# KiCad board OLD_PCB.kicad_pcb (continued)
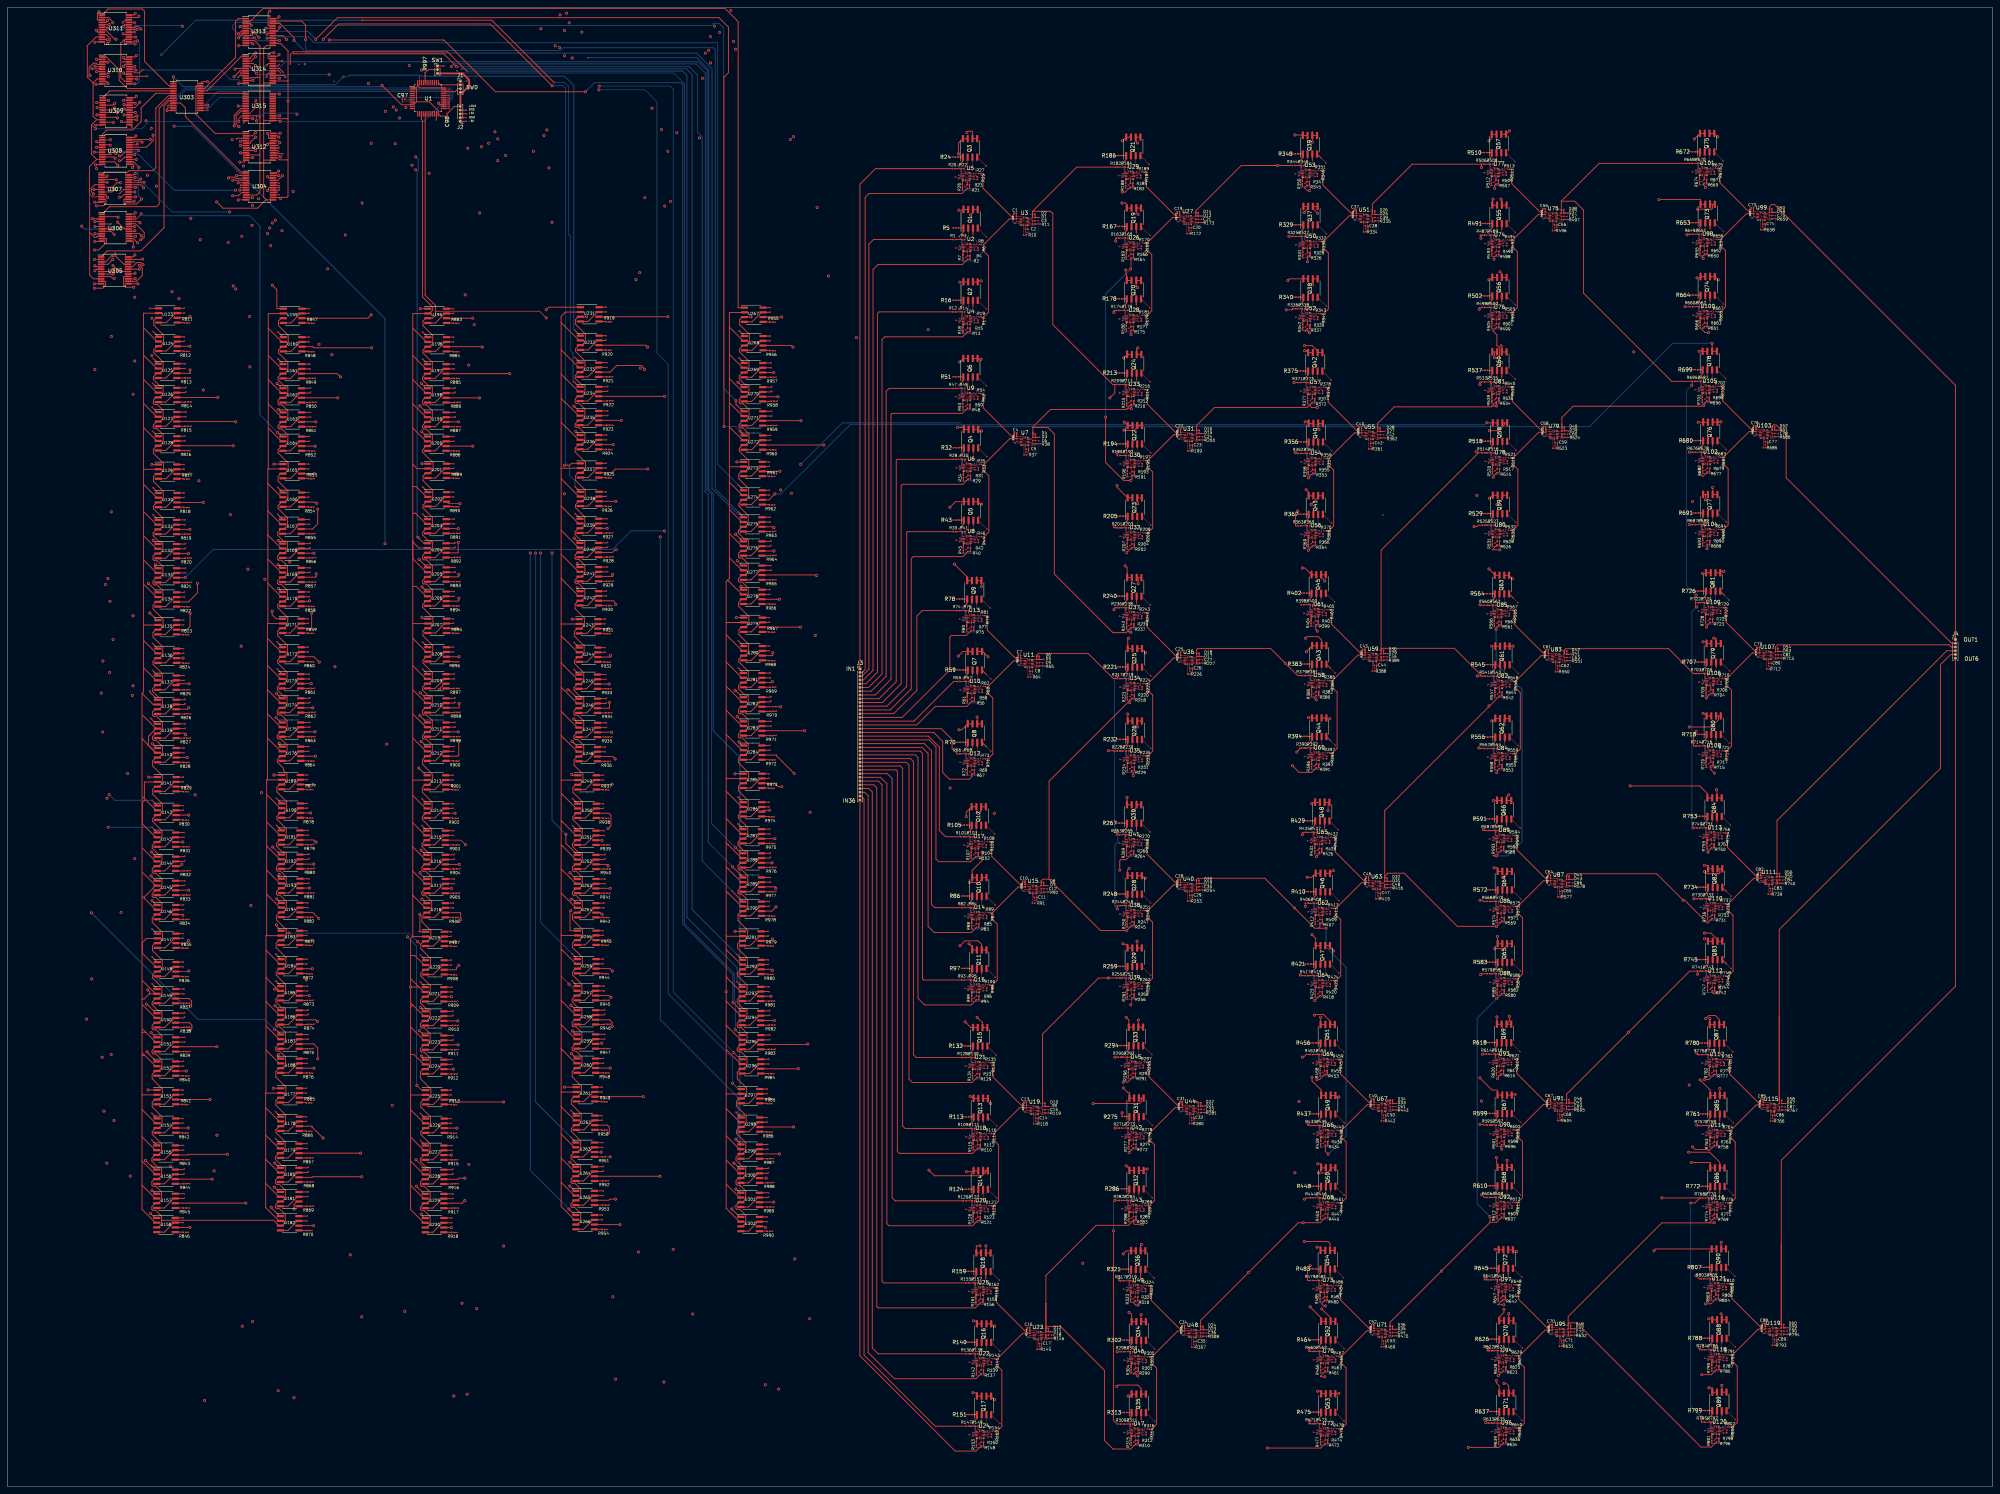
[diagram p0: board, top side]
## Routing (per net, layer and track width the routed paths; a pad name or vN(x,y) marks a point on that pad's centre or on a via; arc(x,y) is an arc through that point) (continued)
Net-(Q4A-S1): length 9.9
  Top w0.1: U6.4 255.27,271.8 254.62,271.8 254.44,271.62 v1(254.2,271.62)
  Top w0.25: 255.34,276.88 255.34,276.88 Q4.1 ; 255.34,276.88 255.34,276.37 v1(254.1,275.13) ; 255.34,276.88 Q4.1 ; 254.02,277.43 255.31,277.43 Q4.1
  Bottom w0.25: v1(254.2,271.62) 254.8,272.22 254.8,274.42 v1(254.1,275.13)
Net-(Q4B-G2): length 15.5
  Top w0.1: v1(255.9,269.53) 255.99,269.53 R31.2 256.47,271.2 256.46,271.22 ; v1(261.5,275.03) 261.5,275.04 Q4.4
  In1.Cu w0.1: v1(261.5,275.03) 261.5,271.03 260,269.53 v1(255.9,269.53)
Net-(Q4B-S2): length 8.8
  Top w0.1: U6.11 257.23,272.59 258.49,272.59 ; 259.23,272.11 258.75,272.59 258.49,272.59 ; 258.49,272.59 258.82,272.93 258.82,273.97 257.88,274.91 Q4.3
  Top w0.25: 257.88,276.15 Q4.3
Net-(Q5A-G1): length 6.3
  Top w0.1: U8.14 255.66,254.19 R41.2 256.61,255.95 256.61,258.06
  Top w0.25: Q5.2 256.61,257.01 256.61,257.01 ; 255.66,254.59 R41.2
Net-(Q5A-S1): length 9.9
  Top w0.1: v1(254.19,252.29) 254.43,252.29 254.62,252.48 255.27,252.48 255.3,252.44
  Top w0.25: 254.01,258.1 255.3,258.1 Q5.1 ; 255.34,257.56 Q5.1 ; 255.34,257.56 Q5.1 ; 255.34,257.56 255.34,257.05 v1(254.09,255.8)
  Bottom w0.25: v1(254.19,252.29) 254.8,252.9 254.8,255.1 v1(254.09,255.8)
Net-(Q5B-G2): length 15.5
  Top w0.1: U8.7 256.47,251.88 R42.2 255.99,250.2 v1(255.89,250.2) ; v1(261.49,255.7) 261.49,255.72 Q5.4
  In1.Cu w0.1: v1(261.49,255.7) 261.49,251.7 259.99,250.2 v1(255.89,250.2)
Net-(Q5B-S2): length 8.8
  Top w0.1: 258.48,253.27 257.23,253.27 257.2,253.24 ; 258.48,253.27 258.82,253.61 258.82,254.65 257.88,255.59 Q5.3 ; 258.48,253.27 258.74,253.27 R44.2
  Top w0.25: 257.88,256.83 257.88,256.83 Q5.3
Net-(Q6A-G1): length 4.8
  Top w0.1: 256.46,296.33 256.46,294.21 255.52,293.26 R49.2 255.52,292.45 255.91,292.05
Net-(Q6A-S1): length 9.4
  Top w0.1: U9.4 255.13,290.74 254.47,290.74 254.29,290.55 v1(254.05,290.55)
  Top w0.25: v1(253.95,294.06) 255.2,295.31 255.2,296.33 255.16,296.36 R51.2
  Bottom w0.25: v1(253.95,294.06) 254.65,293.36 254.65,291.16 v1(254.05,290.55)
Net-(Q6B-G2): length 15.5
  Top w0.1: 259,296.33 261.35,293.98 v1(261.35,293.96) ; 256.31,290.15 256.32,290.14 256.32,288.95 R50.2 255.84,288.46 v1(255.75,288.46)
  In1.Cu w0.1: v1(255.75,288.46) 259.85,288.46 261.35,289.96 v1(261.35,293.96)
Net-(Q6B-S2): length 7.6
  Top w0.1: 258.34,291.53 258.67,291.87 258.67,292.91 257.73,293.85 257.73,296.33 ; 258.34,291.53 257.08,291.53 U9.11 ; 258.34,291.53 258.6,291.53 259.08,291.04
  Top w0.25: 259.08,291.04 R52.2
Net-(Q7A-G1): length 6.6
  Top w0.1: Q7.2 257.66,215.94 R57.2 256.71,214.18 U10.14
  Top w0.25: 257.66,217 Q7.2 ; 257.18,215.47 257.18,215.47 R57.2
Net-(Q7A-S1): length 9.9
  Top w0.1: v1(255.24,212.28) 255.48,212.28 255.67,212.47 256.32,212.47 U10.4
  Top w0.25: R59.2 255.06,218.09 256.35,218.09 Q7.1 ; Q7.1 256.39,217.55 256.39,217.55 ; Q7.1 256.39,217.55 ; 256.39,217.55 256.39,217.04 v1(255.14,215.79)
  Bottom w0.25: v1(255.14,215.79) 255.85,215.09 255.85,212.88 v1(255.24,212.28)
Net-(Q7B-G2): length 17.2
  Top w0.1: Q7.4 262.54,215.71 v1(262.54,215.69) ; 257.5,211.88 257.52,211.87 R58.2 257.03,210.19 v1(256.94,210.19)
  Top w0.25: 261.37,216.88 Q7.4
  In1.Cu w0.1: v1(256.94,210.19) 261.04,210.19 262.54,211.69 v1(262.54,215.69)
Net-(Q7B-S2): length 8.8
  Top w0.1: Q7.3 258.93,215.58 259.87,214.64 259.87,213.59 259.53,213.26 ; 259.53,213.26 259.79,213.26 R60.2 ; 259.53,213.26 258.28,213.26 U10.11
  Top w0.25: 258.93,216.81 Q7.3
Net-(Q8A-G1): length 6.6
  Top w0.1: 257.65,198.73 257.65,196.62 256.7,195.67 256.7,194.85 U12.14
  Top w0.25: 257.65,197.67 257.65,197.67 Q8.2 ; 257.18,196.14 R68.2
Net-(Q8A-S1): length 9.9
  Top w0.1: v1(255.24,192.96) 255.48,192.96 255.66,193.14 256.31,193.14 U12.4
  Top w0.25: Q8.1 256.38,198.22 ; Q8.1 256.34,198.77 R70.2 ; Q8.1 256.38,198.22 ; 256.38,198.22 256.38,197.71 v1(255.14,196.47)
  Bottom w0.25: v1(255.24,192.96) 255.84,193.56 255.84,195.76 v1(255.14,196.47)
Net-(Q8B-G2): length 17.2
  Top w0.1: v1(262.54,196.37) 262.54,196.38 260.19,198.73 ; U12.7 257.51,192.54 R69.2 257.03,190.87 v1(256.94,190.87)
  Top w0.25: 261.37,197.56 Q8.4
  In1.Cu w0.1: v1(262.54,196.37) 262.54,192.37 261.04,190.87 v1(256.94,190.87)
Net-(Q8B-S2): length 8.8
  Top w0.1: 259.53,193.93 259.86,194.27 259.86,195.31 258.92,196.25 Q8.3 ; 259.53,193.93 259.78,193.93 260.27,193.45 ; 259.53,193.93 258.27,193.93 U12.11
  Top w0.25: Q8.3 258.92,197.49 258.92,197.49
Net-(Q9A-G1): length 6.3
  Top w0.1: 256.95,232.72 256.56,233.11 256.56,233.93 257.51,234.88 Q9.2
  Top w0.25: R76.2 256.56,233.52 256.56,233.52 ; Q9.2 257.51,235.93 257.51,235.93
Net-(Q9A-S1): length 9.9
  Top w0.1: v1(255.09,231.22) 255.33,231.22 255.52,231.4 256.17,231.4 U13.4
  Top w0.25: v1(254.99,234.73) 256.24,235.97 256.24,236.48 ; Q9.1 256.24,236.48 256.24,236.48 ; 256.24,236.48 256.24,236.99 256.2,237.03 R78.2 254.91,237.03
  Bottom w0.25: v1(255.09,231.22) 255.7,231.82 255.7,234.02 v1(254.99,234.73)
Net-(Q9B-G2): length 15.6
  Top w0.1: 257.35,230.82 257.37,230.8 257.37,229.61 R77.2 256.89,229.13 v1(256.79,229.13) ; v1(262.39,234.63) 262.39,234.64 260.07,236.97 Q9.4
  Top w0.25: Q9.4 260.07,236.97
  In1.Cu w0.1: v1(262.39,234.63) 262.39,230.63 260.89,229.13 v1(256.79,229.13)
Net-(Q9B-S2): length 9.1
  Top w0.1: 258.78,236.99 258.78,234.51 259.72,233.57 259.72,232.53 259.38,232.19 ; U13.11 258.13,232.19 259.38,232.19 ; 259.38,232.19 259.64,232.19 260.12,231.71
  Top w0.25: 259.93,231.9 R79.2 ; 258.78,235.75 258.78,235.75 Q9.3
Net-(Q10A-G1): length 5.2
  Top w0.1: 258.85,157.66 258.85,155.55 R84.2 257.9,153.79 U14.14
  Top w0.25: 257.9,154.19 R84.2 ; Q10.2 258.85,157.66
Net-(Q10A-S1): length 9.9
  Top w0.1: 257.54,152.04 257.51,152.08 256.86,152.08 256.67,151.89 v1(256.43,151.89)
  Top w0.25: 256.25,157.7 257.54,157.7 Q10.1 ; Q10.1 257.58,157.16 ; Q10.1 257.58,157.16 ; 257.58,157.16 257.58,156.65 v1(256.33,155.4)
  Bottom w0.25: v1(256.43,151.89) 257.04,152.5 257.04,154.7 v1(256.33,155.4)
Net-(Q10B-G2): length 15.5
  Top w0.1: U14.7 258.71,151.48 R85.2 258.23,149.8 v1(258.13,149.8) ; Q10.4 263.73,155.32 v1(263.73,155.3)
  In1.Cu w0.1: v1(263.73,155.3) 263.73,151.3 262.23,149.8 v1(258.13,149.8)
Net-(Q10B-S2): length 8.8
  Top w0.1: 260.72,152.87 259.47,152.87 259.44,152.84 ; 260.72,152.87 260.98,152.87 R87.2 ; 260.72,152.87 261.06,153.21 261.06,154.25 260.12,155.19 Q10.3
  Top w0.25: Q10.3 260.12,156.43 260.12,156.43
Net-(Q11A-G1): length 6.3
  Top w0.1: U16.14 257.89,134.46 R95.2 258.84,136.23 258.84,138.34
  Top w0.25: 257.89,134.87 R95.2 ; 258.84,137.28 Q11.2
Net-(Q11A-S1): length 9.9
  Top w0.1: v1(256.43,132.57) 256.67,132.57 256.85,132.75 257.5,132.75 257.54,132.72
  Top w0.25: 257.57,137.83 Q11.1 ; 257.57,137.83 257.57,138.34 257.54,138.38 R97.2 ; 257.57,137.83 257.57,137.32 v1(256.33,136.08)
  Bottom w0.25: v1(256.43,132.57) 257.03,133.17 257.03,135.37 v1(256.33,136.08)
Net-(Q11B-G2): length 15.5
  Top w0.1: Q11.4 263.73,135.99 v1(263.73,135.98) ; U16.7 258.7,132.15 258.7,130.96 258.22,130.48 v1(258.13,130.48)
  In1.Cu w0.1: v1(258.13,130.48) 262.23,130.48 263.73,131.98 v1(263.73,135.98)
Net-(Q11B-S2): length 8.8
  Top w0.1: R98.2 260.97,133.54 260.72,133.54 ; 260.11,138.34 260.11,135.86 261.05,134.92 261.05,133.88 260.72,133.54 ; 260.72,133.54 259.46,133.54 259.44,133.52
  Top w0.25: 260.11,137.1 Q11.3
Net-(Q12A-G1): length 4.8
  Top w0.1: Q12.2 258.7,174.49 R103.2 257.75,172.72 U17.14
Net-(Q12A-S1): length 9.4
  Top w0.1: 257.39,170.98 257.36,171.01 256.71,171.01 256.52,170.83 v1(256.28,170.83)
  Top w0.25: v1(256.18,174.34) 257.43,175.58 Q12.1 257.39,176.64 256.1,176.64 R105.2
  Bottom w0.25: v1(256.28,170.83) 256.89,171.43 256.89,173.64 v1(256.18,174.34)
Net-(Q12B-G2): length 15.5
  Top w0.1: v1(263.58,174.24) 263.58,174.26 Q12.4 ; v1(257.98,168.74) 258.08,168.74 R104.2 258.56,170.42 U17.7
  In1.Cu w0.1: v1(263.58,174.24) 263.58,170.24 262.08,168.74 v1(257.98,168.74)
Net-(Q12B-S2): length 7.6
  Top w0.1: Q12.3 259.97,174.12 260.91,173.18 260.91,172.14 260.57,171.8 ; 260.57,171.8 259.32,171.8 259.29,171.78 ; 260.57,171.8 260.83,171.8 R106.2
Net-(Q13A-G1): length 6.3
  Top w0.1: 258.66,94.42 258.26,94.81 258.26,95.63 259.21,96.58 Q13.2
  Top w0.25: 258.26,95.22 R111.2 ; Q13.2 259.21,97.63 259.21,97.63
Net-(Q13A-S1): length 9.9
  Top w0.1: v1(256.8,92.92) 257.04,92.92 257.22,93.1 257.87,93.1 U18.4
  Top w0.25: Q13.1 257.94,98.18 ; Q13.1 257.91,98.73 256.62,98.73 ; Q13.1 257.94,98.18 257.94,98.18 ; 257.94,98.18 257.94,97.67 v1(256.7,96.43)
  Bottom w0.25: v1(256.7,96.43) 257.4,95.72 257.4,93.52 v1(256.8,92.92)
Net-(Q13B-G2): length 15.5
  Top w0.1: v1(264.1,96.33) 264.1,96.34 Q13.4 ; v1(258.5,90.83) 258.59,90.83 R112.2 259.07,92.5 259.06,92.52
  In1.Cu w0.1: v1(264.1,96.33) 264.1,92.33 262.6,90.83 v1(258.5,90.83)
Net-(Q13B-S2): length 8.8
  Top w0.1: 261.83,93.41 261.34,93.89 261.09,93.89 ; U18.11 259.83,93.89 261.09,93.89 ; 261.09,93.89 261.42,94.23 261.42,95.27 260.48,96.21 Q13.3
  Top w0.25: 260.48,97.45 Q13.3
Net-(Q14A-G1): length 6.3
  Top w0.1: 259.21,79.36 259.21,77.25 R122.2 258.26,75.49 U20.14
  Top w0.25: 258.26,75.89 R122.2 ; Q14.2 259.21,78.31 259.21,78.31
Net-(Q14A-S1): length 9.9
  Top w0.1: 257.9,73.74 257.87,73.78 257.22,73.78 257.03,73.59 v1(256.79,73.59)
  Top w0.25: Q14.1 257.94,78.86 ; Q14.1 257.9,79.4 256.61,79.4 ; Q14.1 257.94,78.86 ; 257.94,78.86 257.94,78.35 v1(256.69,77.1)
  Bottom w0.25: v1(256.79,73.59) 257.4,74.2 257.4,76.4 v1(256.69,77.1)
Net-(Q14B-G2): length 15.5
  Top w0.1: Q14.4 264.09,77.02 v1(264.09,77) ; v1(258.49,71.5) 258.59,71.5 R123.2 259.07,73.18 U20.7
  In1.Cu w0.1: v1(264.09,77) 264.09,73 262.59,71.5 v1(258.49,71.5)
Net-(Q14B-S2): length 8.8
  Top w0.1: 261.08,74.57 261.34,74.57 R125.2 ; 261.08,74.57 261.42,74.91 261.42,75.95 260.48,76.89 Q14.3 ; 261.08,74.57 259.83,74.57 259.8,74.54
  Top w0.25: 260.48,78.12 260.48,78.13 Q14.3
Net-(Q15A-G1): length 4.8
  Top w0.1: Q15.2 259.06,115.51 258.11,114.56 R130.2 258.11,113.75 258.51,113.35
Net-(Q15A-S1): length 9.4
  Top w0.1: v1(256.65,111.85) 256.89,111.85 257.07,112.04 257.72,112.04 U21.4
  Top w0.25: R132.2 257.76,117.66 Q15.1 257.79,116.61 v1(256.55,115.36)
  Bottom w0.25: v1(256.55,115.36) 257.25,114.66 257.25,112.46 v1(256.65,111.85)
Net-(Q15B-G2): length 15.5
  Top w0.1: 258.91,111.45 258.92,111.44 258.92,110.25 R131.2 258.44,109.76 v1(258.35,109.76) ; Q15.4 263.95,115.28 v1(263.95,115.26)
  In1.Cu w0.1: v1(263.95,115.26) 263.95,111.26 262.45,109.76 v1(258.35,109.76)
Net-(Q15B-S2): length 7.6
  Top w0.1: 260.94,112.83 261.27,113.17 261.27,114.21 260.33,115.15 Q15.3 ; 260.94,112.83 259.68,112.83 U21.11 ; 260.94,112.83 261.2,112.83 261.68,112.34
  Top w0.25: 261.68,112.34 R133.2
Net-(Q16A-G1): length 4.8
  Top w0.1: U22.14 259.15,34.62 R138.2 260.1,36.39 Q16.2
Net-(Q16A-S1): length 9.4
  Top w0.1: 258.79,32.88 258.76,32.91 258.11,32.91 257.92,32.73 v1(257.68,32.73)
  Top w0.25: R140.2 257.5,38.54 258.79,38.54 Q16.1 258.83,37.48 v1(257.58,36.24)
  Bottom w0.25: v1(257.68,32.73) 258.29,33.33 258.29,35.54 v1(257.58,36.24)
Net-(Q16B-G2): length 15.5
  Top w0.1: v1(264.98,36.14) 264.98,36.16 Q16.4 ; U22.7 259.96,32.31 R139.2 259.48,30.64 v1(259.38,30.64)
  In1.Cu w0.1: v1(259.38,30.64) 263.48,30.64 264.98,32.14 v1(264.98,36.14)
Net-(Q16B-S2): length 7.6
  Top w0.1: Q16.3 261.37,36.02 262.31,35.08 262.31,34.04 261.97,33.7 ; R141.2 262.23,33.7 261.97,33.7 ; 260.69,33.68 260.72,33.7 261.97,33.7
Net-(Q17A-G1): length 4.8
  Top w0.1: U24.14 259.14,15.3 R149.2 260.09,17.06 Q17.2
Net-(Q17A-S1): length 9.4
  Top w0.1: v1(257.68,13.4) 257.92,13.4 258.1,13.59 258.75,13.59 258.79,13.55
  Top w0.25: R151.2 258.79,19.21 Q17.1 258.82,18.16 v1(257.58,16.91)
  Bottom w0.25: v1(257.58,16.91) 258.28,16.21 258.28,14.01 v1(257.68,13.4)
Net-(Q17B-G2): length 15.5
  Top w0.1: 262.63,19.18 264.98,16.83 v1(264.98,16.81) ; U24.7 259.95,12.99 259.95,11.8 R150.2 259.47,11.31 v1(259.38,11.31)
  In1.Cu w0.1: v1(264.98,16.81) 264.98,12.81 263.48,11.31 v1(259.38,11.31)
Net-(Q17B-S2): length 7.6
  Top w0.1: 261.97,14.38 262.3,14.72 262.3,15.76 261.36,16.7 Q17.3 ; 261.97,14.38 260.71,14.38 260.69,14.35 ; 261.97,14.38 262.23,14.38 R152.2
Net-(Q18A-G1): length 4.9
  Top w0.1: 259.95,57.44 259.95,55.32 R157.2 259,53.56 U25.14
  Top w0.25: Q18.2 259.95,57.44 ; 259.04,54.41 259.04,54.41 R157.2
Net-(Q18A-S1): length 9.4
  Top w0.1: U25.4 258.61,51.85 257.96,51.85 257.77,51.66 v1(257.53,51.66)
  Top w0.25: R159.2 258.64,57.48 Q18.1 258.68,56.42 v1(257.44,55.18)
  Bottom w0.25: v1(257.53,51.66) 258.14,52.27 258.14,54.47 v1(257.44,55.18)
Net-(Q18B-G2): length 15.9
  Top w0.1: v1(259.23,49.58) 259.33,49.58 R158.2 259.81,51.25 U25.7 ; v1(264.83,55.08) 264.83,55.09 262.49,57.44
  Top w0.25: Q18.4 262.49,57.44 ; 259.57,49.82 R158.2
  In1.Cu w0.1: v1(259.23,49.58) 263.33,49.58 264.83,51.08 v1(264.83,55.08)
Net-(Q18B-S2): length 9.3
  Top w0.1: U25.11 260.57,52.64 261.82,52.64 ; 262.57,52.15 R160.2 262.08,52.64 261.82,52.64 ; 261.82,52.64 262.16,52.98 262.16,54.02 261.22,54.96 Q18.3
  Top w0.25: Q18.3 261.22,55.66 261.22,55.66
Net-(Q19A-G1): length 4.8
  Top w0.1: 299.56,332.22 299.16,332.61 R165.2 300.11,334.38 Q19.2
Net-(Q19A-S1): length 9.4
  Top w0.1: U26.4 298.77,330.9 298.12,330.9 297.94,330.72 v1(297.7,330.72)
  Top w0.25: v1(297.6,334.23) 298.84,335.47 Q19.1 298.81,336.53 R167.2
  Bottom w0.25: v1(297.7,330.72) 298.3,331.32 298.3,333.52 v1(297.6,334.23)
Net-(Q19B-G2): length 15.7
  Top w0.1: Q19.4 302.68,336.47 305,334.14 v1(305,334.13) ; 299.96,330.32 299.97,330.3 R166.2 299.49,328.63 v1(299.4,328.63)
  Top w0.25: 299.87,329 R166.2 ; Q19.4 302.68,336.47
  In1.Cu w0.1: v1(299.4,328.63) 303.5,328.63 305,330.13 v1(305,334.13)
Net-(Q19B-S2): length 9.1
  Top w0.1: Q19.3 301.38,334.01 302.32,333.07 302.32,332.03 301.99,331.69 ; 301.99,331.69 302.25,331.69 302.73,331.21 ; 301.99,331.69 300.73,331.69 U26.11
  Top w0.25: Q19.3 301.38,334.96
Net-(Q20A-G1): length 4.8
  Top w0.1: U28.14 299.16,313.29 R176.2 300.11,315.05 300.11,317.16
  Top w0.25: Q20.2 300.11,317.16
Net-(Q20A-S1): length 9.4
  Top w0.1: v1(297.69,311.39) 297.93,311.39 298.12,311.58 298.77,311.58 U28.4
  Top w0.25: R178.2 298.8,317.2 Q20.1 298.84,316.15 v1(297.59,314.9)
  Bottom w0.25: v1(297.59,314.9) 298.3,314.2 298.3,312 v1(297.69,311.39)
Net-(Q20B-G2): length 15.7
  Top w0.1: 302.65,317.16 302.67,317.14 304.99,314.82 v1(304.99,314.8) ; v1(299.39,309.3) 299.49,309.3 R177.2 299.97,310.98 U28.7
  Top w0.25: 299.86,309.68 R177.2 ; Q20.4 302.67,317.14
  In1.Cu w0.1: v1(299.39,309.3) 303.49,309.3 304.99,310.8 v1(304.99,314.8)
Net-(Q20B-S2): length 10.3
  Top w0.1: 300.73,312.37 302.24,312.37 R179.2 ; 300.73,312.37 U28.11 ; 300.73,312.37 301.98,312.37 302.32,312.7 302.32,313.75 301.38,314.69 Q20.3
  Top w0.25: Q20.3 301.38,315.63 301.38,315.63
Net-(Q21A-G1): length 4.8
  Top w0.1: 299.41,351.15 299.01,351.55 R184.2 299.96,353.31 Q21.2
Net-(Q21A-S1): length 9.4
  Top w0.1: v1(297.55,349.65) 297.79,349.65 297.97,349.84 298.62,349.84 U29.4
  Top w0.25: R186.2 298.66,355.46 Q21.1 298.69,354.41 v1(297.45,353.16)
  Bottom w0.25: v1(297.55,349.65) 298.15,350.26 298.15,352.46 v1(297.45,353.16)
Net-(Q21B-G2): length 16.1
  Top w0.1: v1(299.25,347.56) 299.34,347.56 299.82,348.04 299.82,349.24 299.81,349.25 ; Q21.4 304.85,353.08 v1(304.85,353.06)
  Top w0.25: 299.82,348.64 299.82,348.64 R185.2
  In1.Cu w0.1: v1(299.25,347.56) 303.35,347.56 304.85,349.06 v1(304.85,353.06)
Net-(Q21B-S2): length 7.9
  Top w0.1: U29.11 300.58,350.63 301.84,350.63 ; Q21.3 301.23,352.95 302.17,352.01 302.17,350.97 301.84,350.63 ; 301.84,350.63 302.1,350.63 302.58,350.14
  Top w0.25: 302.34,350.39 R187.2
Net-(Q22A-G1): length 4.8
  Top w0.1: 299.81,274.15 299.41,274.55 R192.2 299.41,275.36 300.36,276.31 300.36,278.43
Net-(Q22A-S1): length 9.4
  Top w0.1: U30.4 299.02,272.84 298.38,272.84 298.19,272.65 v1(297.95,272.65)
  Top w0.25: v1(297.85,276.16) 299.09,277.41 Q22.1 299.06,278.46 R194.2
  Bottom w0.25: v1(297.95,272.65) 298.55,273.26 298.55,275.46 v1(297.85,276.16)
Net-(Q22B-G2): length 15.5
  Top w0.1: Q22.4 305.25,276.08 v1(305.25,276.06) ; v1(299.65,270.56) 299.74,270.56 R193.2 300.22,271.05 300.22,272.24 300.21,272.25
  In1.Cu w0.1: v1(305.25,276.06) 305.25,272.06 303.75,270.56 v1(299.65,270.56)
Net-(Q22B-S2): length 7.6
  Top w0.1: 302.24,273.63 302.57,273.97 302.57,275.01 301.63,275.95 Q22.3 ; 302.24,273.63 300.98,273.63 U30.11 ; 302.24,273.63 302.5,273.63 302.98,273.14
  Top w0.25: 302.98,273.14 R195.2
Net-(Q23A-G1): length 4.8
  Top w0.1: U32.14 299.41,255.22 R203.2 300.36,256.99 Q23.2
Net-(Q23A-S1): length 9.4
  Top w0.1: v1(297.94,253.33) 298.19,253.33 298.37,253.51 299.02,253.51 299.05,253.48
  Top w0.25: v1(297.84,256.84) 299.09,258.08 Q23.1 299.05,259.14 297.76,259.14 R205.2
  Bottom w0.25: v1(297.84,256.84) 298.55,256.13 298.55,253.93 v1(297.94,253.33)
Net-(Q23B-G2): length 15.5
  Top w0.1: v1(305.24,256.74) 305.24,256.76 Q23.4 ; U32.7 300.22,252.92 R204.2 299.74,251.24 v1(299.64,251.24)
  In1.Cu w0.1: v1(299.64,251.24) 303.74,251.24 305.24,252.74 v1(305.24,256.74)
Net-(Q23B-S2): length 7.6
  Top w0.1: 302.23,254.3 302.57,254.64 302.57,255.68 301.63,256.62 Q23.3 ; 302.23,254.3 300.98,254.3 300.95,254.28 ; 302.23,254.3 302.49,254.3 R206.2
Net-(Q24A-G1): length 4.9
  Top w0.1: U33.14 299.27,293.48 R211.2 300.22,295.25 300.22,297.36
  Top w0.25: Q24.2 300.22,297.36 ; 299.31,294.34 R211.2
Net-(Q24A-S1): length 9.4
  Top w0.1: v1(297.8,291.59) 298.04,291.59 298.23,291.77 298.88,291.77 U33.4
  Top w0.25: R213.2 298.91,297.4 Q24.1 298.95,297.36 298.95,296.35 v1(297.7,295.1)
  Bottom w0.25: v1(297.8,291.59) 298.4,292.19 298.4,294.4 v1(297.7,295.1)
Net-(Q24B-G2): length 15.9
  Top w0.1: v1(305.1,295) 305.1,295.02 302.76,297.36 ; v1(299.5,289.5) 299.59,289.5 300.07,289.98 300.07,291.18 U33.7
  Top w0.25: Q24.4 302.76,297.36 ; 299.83,289.74 R212.2
  In1.Cu w0.1: v1(305.1,295) 305.1,291 303.6,289.5 v1(299.5,289.5)
Net-(Q24B-S2): length 9.3
  Top w0.1: 302.09,292.57 302.42,292.9 302.42,293.94 301.49,294.88 301.49,297.36 ; 302.09,292.57 302.35,292.57 R214.2 ; 302.09,292.57 300.83,292.57 U33.11
  Top w0.25: Q24.3 301.49,295.58
Net-(Q25A-G1): length 4.8
  Top w0.1: 299.81,214.55 299.41,214.95 R219.2 299.41,215.76 300.36,216.71 300.36,218.83
Net-(Q25A-S1): length 9.4
  Top w0.1: U34.4 299.02,213.24 298.38,213.24 298.19,213.05 v1(297.95,213.05)
  Top w0.25: R221.2 299.06,218.86 Q25.1 299.09,217.81 v1(297.85,216.56)
  Bottom w0.25: v1(297.85,216.56) 298.55,215.86 298.55,213.66 v1(297.95,213.05)
Net-(Q25B-G2): length 15.5
  Top w0.1: v1(305.25,216.46) 305.25,216.48 Q25.4 ; 300.21,212.65 300.22,212.64 300.22,211.45 R220.2 299.74,210.96 v1(299.65,210.96)
  In1.Cu w0.1: v1(305.25,216.46) 305.25,212.46 303.75,210.96 v1(299.65,210.96)
Net-(Q25B-S2): length 7.6
  Top w0.1: 302.24,214.03 302.57,214.37 302.57,215.41 301.63,216.35 Q25.3 ; 302.24,214.03 300.98,214.03 U34.11 ; 302.24,214.03 302.5,214.03 302.98,213.54
  Top w0.25: 302.98,213.54 R222.2
Net-(Q26A-G1): length 4.8
  Top w0.1: U35.14 299.41,195.62 R230.2 300.36,197.39 Q26.2
Net-(Q26A-S1): length 9.4
  Top w0.1: v1(297.94,193.73) 298.19,193.73 298.37,193.91 299.02,193.91 299.05,193.88
  Top w0.25: v1(297.84,197.24) 299.09,198.48 Q26.1 299.05,199.54 297.76,199.54 R232.2
  Bottom w0.25: v1(297.94,193.73) 298.55,194.33 298.55,196.54 v1(297.84,197.24)
Net-(Q26B-G2): length 15.5
  Top w0.1: v1(305.24,197.14) 305.24,197.16 Q26.4 ; v1(299.64,191.64) 299.74,191.64 R231.2 300.22,193.32 U35.7
  In1.Cu w0.1: v1(299.64,191.64) 303.74,191.64 305.24,193.14 v1(305.24,197.14)
Net-(Q26B-S2): length 7.6
  Top w0.1: 302.23,194.7 302.57,195.04 302.57,196.08 301.63,197.02 Q26.3 ; 302.23,194.7 302.49,194.7 R233.2 ; 302.23,194.7 300.98,194.7 300.95,194.68
Net-(Q27A-G1): length 4.9
  Top w0.1: 300.22,237.76 300.22,235.65 R238.2 299.27,233.88 U37.14
  Top w0.25: 299.31,234.74 R238.2 ; Q27.2 300.22,237.76
Net-(Q27A-S1): length 9.4
  Top w0.1: v1(297.8,231.99) 298.04,231.99 298.23,232.17 298.88,232.17 U37.4
  Top w0.25: v1(297.7,235.5) 298.95,236.75 298.95,237.76 Q27.1 298.91,237.8 R240.2
  Bottom w0.25: v1(297.7,235.5) 298.4,234.8 298.4,232.59 v1(297.8,231.99)
Net-(Q27B-G2): length 15.9
  Top w0.1: v1(305.1,235.4) 305.1,235.42 302.76,237.76 ; U37.7 300.07,231.58 300.07,230.38 299.59,229.9 v1(299.5,229.9)
  Top w0.25: Q27.4 302.76,237.76 ; 299.83,230.14 R239.2
  In1.Cu w0.1: v1(299.5,229.9) 303.6,229.9 305.1,231.4 v1(305.1,235.4)
Net-(Q27B-S2): length 9.3
  Top w0.1: 302.09,232.97 302.35,232.97 R241.2 ; 302.09,232.97 300.83,232.97 U37.11 ; 302.09,232.97 302.42,233.3 302.42,234.34 301.49,235.28 301.49,237.76
  Top w0.25: Q27.3 301.49,235.98
Net-(Q28A-G1): length 4.8
  Top w0.1: U38.14 299.38,154.32 R246.2 300.33,156.09 Q28.2
Net-(Q28A-S1): length 9.4
  Top w0.1: v1(297.91,152.43) 298.15,152.43 298.34,152.61 298.99,152.61 299.02,152.58
  Top w0.25: v1(297.81,155.94) 299.06,157.18 Q28.1 299.02,158.24 297.73,158.24 R248.2
  Bottom w0.25: v1(297.91,152.43) 298.52,153.03 298.52,155.24 v1(297.81,155.94)
Net-(Q28B-G2): length 15.5
  Top w0.1: Q28.4 305.21,155.86 v1(305.21,155.84) ; U38.7 300.19,152.02 R247.2 299.71,150.34 v1(299.61,150.34)
  In1.Cu w0.1: v1(305.21,155.84) 305.21,151.84 303.71,150.34 v1(299.61,150.34)
Net-(Q28B-S2): length 7.6
  Top w0.1: 300.92,153.38 300.95,153.4 302.2,153.4 ; 302.2,153.4 302.54,153.74 302.54,154.78 301.6,155.72 Q28.3 ; 302.2,153.4 302.46,153.4 R249.2
Net-(Q29A-G1): length 4.8
  Top w0.1: Q29.2 300.32,136.76 299.38,135.81 299.38,135 299.77,134.6
Net-(Q29A-S1): length 9.4
  Top w0.1: U39.4 298.98,133.29 298.33,133.29 298.15,133.1 v1(297.91,133.1)
  Top w0.25: v1(297.81,136.61) 299.05,137.86 Q29.1 299.02,138.91 R259.2
  Bottom w0.25: v1(297.91,133.1) 298.51,133.71 298.51,135.91 v1(297.81,136.61)
Net-(Q29B-G2): length 15.5
  Top w0.1: v1(299.61,131.01) 299.7,131.01 R258.2 300.18,131.5 300.18,132.69 300.17,132.7 ; v1(305.21,136.51) 305.21,136.53 Q29.4
  In1.Cu w0.1: v1(305.21,136.51) 305.21,132.51 303.71,131.01 v1(299.61,131.01)
Net-(Q29B-S2): length 7.6
  Top w0.1: U39.11 300.94,134.08 302.2,134.08 ; 302.2,134.08 302.46,134.08 302.94,133.59 ; 302.2,134.08 302.53,134.42 302.53,135.46 301.59,136.4 Q29.3
  Top w0.25: 302.94,133.59 R260.2
Net-(Q30A-G1): length 4.9
  Top w0.1: Q30.2 300.18,175.02 299.23,174.07 299.23,173.26 U41.14
  Top w0.25: 299.27,174.11 299.27,174.11 R265.2
Net-(Q30A-S1): length 9.4
  Top w0.1: v1(297.76,171.36) 298,171.36 298.19,171.55 298.84,171.55 U41.4
  Top w0.25: v1(297.66,174.88) 298.91,176.12 298.91,177.14 Q30.1 298.87,177.18 R267.2
  Bottom w0.25: v1(297.66,174.88) 298.37,174.17 298.37,171.97 v1(297.76,171.36)
Net-(Q30B-G2): length 15.9
  Top w0.1: v1(299.46,169.28) 299.56,169.28 R266.2 300.04,170.95 U41.7 ; Q30.4 305.06,174.79 v1(305.06,174.78)
  Top w0.25: 299.8,169.52 R266.2
  In1.Cu w0.1: v1(305.06,174.78) 305.06,170.78 303.56,169.28 v1(299.46,169.28)
Net-(Q30B-S2): length 9.3
  Top w0.1: 302.05,172.34 300.8,172.34 U41.11 ; 302.05,172.34 302.39,172.68 302.39,173.72 301.45,174.66 301.45,177.14 ; 302.05,172.34 302.31,172.34 R268.2
  Top w0.25: Q30.3 301.45,175.36 301.45,175.36
Net-(Q31A-G1): length 6.3
  Top w0.1: Q31.2 300.81,96.68 299.86,95.73 299.86,94.91 300.26,94.52
  Top w0.25: 300.81,97.73 300.81,97.73 Q31.2 ; 299.86,95.32 R273.2
Net-(Q31A-S1): length 9.9
  Top w0.1: v1(298.4,93.02) 298.64,93.02 298.82,93.2 299.47,93.2 U42.4
  Top w0.25: 298.22,98.83 299.51,98.83 Q31.1 ; Q31.1 299.54,98.28 ; Q31.1 299.54,98.28 299.54,98.28 ; 299.54,98.28 299.54,97.77 v1(298.3,96.53)
  Bottom w0.25: v1(298.3,96.53) 299,95.82 299,93.62 v1(298.4,93.02)
Net-(Q31B-G2): length 15.5
  Top w0.1: 300.66,92.62 300.67,92.6 R274.2 300.19,90.93 v1(300.1,90.93) ; v1(305.7,96.43) 305.7,96.44 Q31.4
  In1.Cu w0.1: v1(300.1,90.93) 304.2,90.93 305.7,92.43 v1(305.7,96.43)
Net-(Q31B-S2): length 8.8
  Top w0.1: 303.43,93.51 302.94,93.99 302.69,93.99 ; 302.69,93.99 303.02,94.33 303.02,95.37 302.08,96.31 Q31.3 ; 302.69,93.99 301.43,93.99 U42.11
  Top w0.25: 302.08,97.55 Q31.3
Net-(Q32A-G1): length 6.3
  Top w0.1: 300.81,79.46 300.81,77.35 R284.2 299.86,75.59 U43.14
  Top w0.25: 300.81,78.41 300.81,78.41 Q32.2 ; 299.86,75.99 R284.2
Net-(Q32A-S1): length 9.9
  Top w0.1: 299.5,73.84 299.47,73.88 298.82,73.88 298.63,73.69 v1(298.39,73.69)
  Top w0.25: Q32.1 299.54,78.96 ; Q32.1 299.5,79.5 298.21,79.5 ; Q32.1 299.54,78.96 ; 299.54,78.96 299.54,78.45 v1(298.29,77.2)
  Bottom w0.25: v1(298.39,73.69) 299,74.3 299,76.5 v1(298.29,77.2)
Net-(Q32B-G2): length 15.5
  Top w0.1: U43.7 300.67,73.28 R285.2 300.19,71.6 v1(300.09,71.6) ; v1(305.69,77.1) 305.69,77.12 Q32.4
  In1.Cu w0.1: v1(305.69,77.1) 305.69,73.1 304.19,71.6 v1(300.09,71.6)
Net-(Q32B-S2): length 8.8
  Top w0.1: 301.4,74.64 301.43,74.67 302.68,74.67 ; R287.2 302.94,74.67 302.68,74.67 ; 302.68,74.67 303.02,75 303.02,76.05 302.08,76.99 Q32.3
  Top w0.25: 302.08,78.23 302.08,78.23 Q32.3
Net-(Q33A-G1): length 4.8
  Top w0.1: 300.11,113.45 299.71,113.85 R292.2 299.71,114.66 300.66,115.61 Q33.2
Net-(Q33A-S1): length 9.4
  Top w0.1: v1(298.25,111.95) 298.49,111.95 298.67,112.14 299.32,112.14 U45.4
  Top w0.25: R294.2 299.36,117.76 Q33.1 299.39,116.71 v1(298.15,115.46)
  Bottom w0.25: v1(298.25,111.95) 298.85,112.56 298.85,114.76 v1(298.15,115.46)
